# Altium PCB kunkun.PcbDoc (part 5 of 8)
Units mil, origin at the board's own origin, x right, y up, seen from the top; angles counter-clockwise.
Board outline 11417.32 x 6911.54 mil, 2 copper layers (Top Layer, Bottom Layer), stack 28 mil thick; 1172 components, 690 nets, 3402 pads, 1297 vias.
Unrouted connection lines stored in the file: 210.
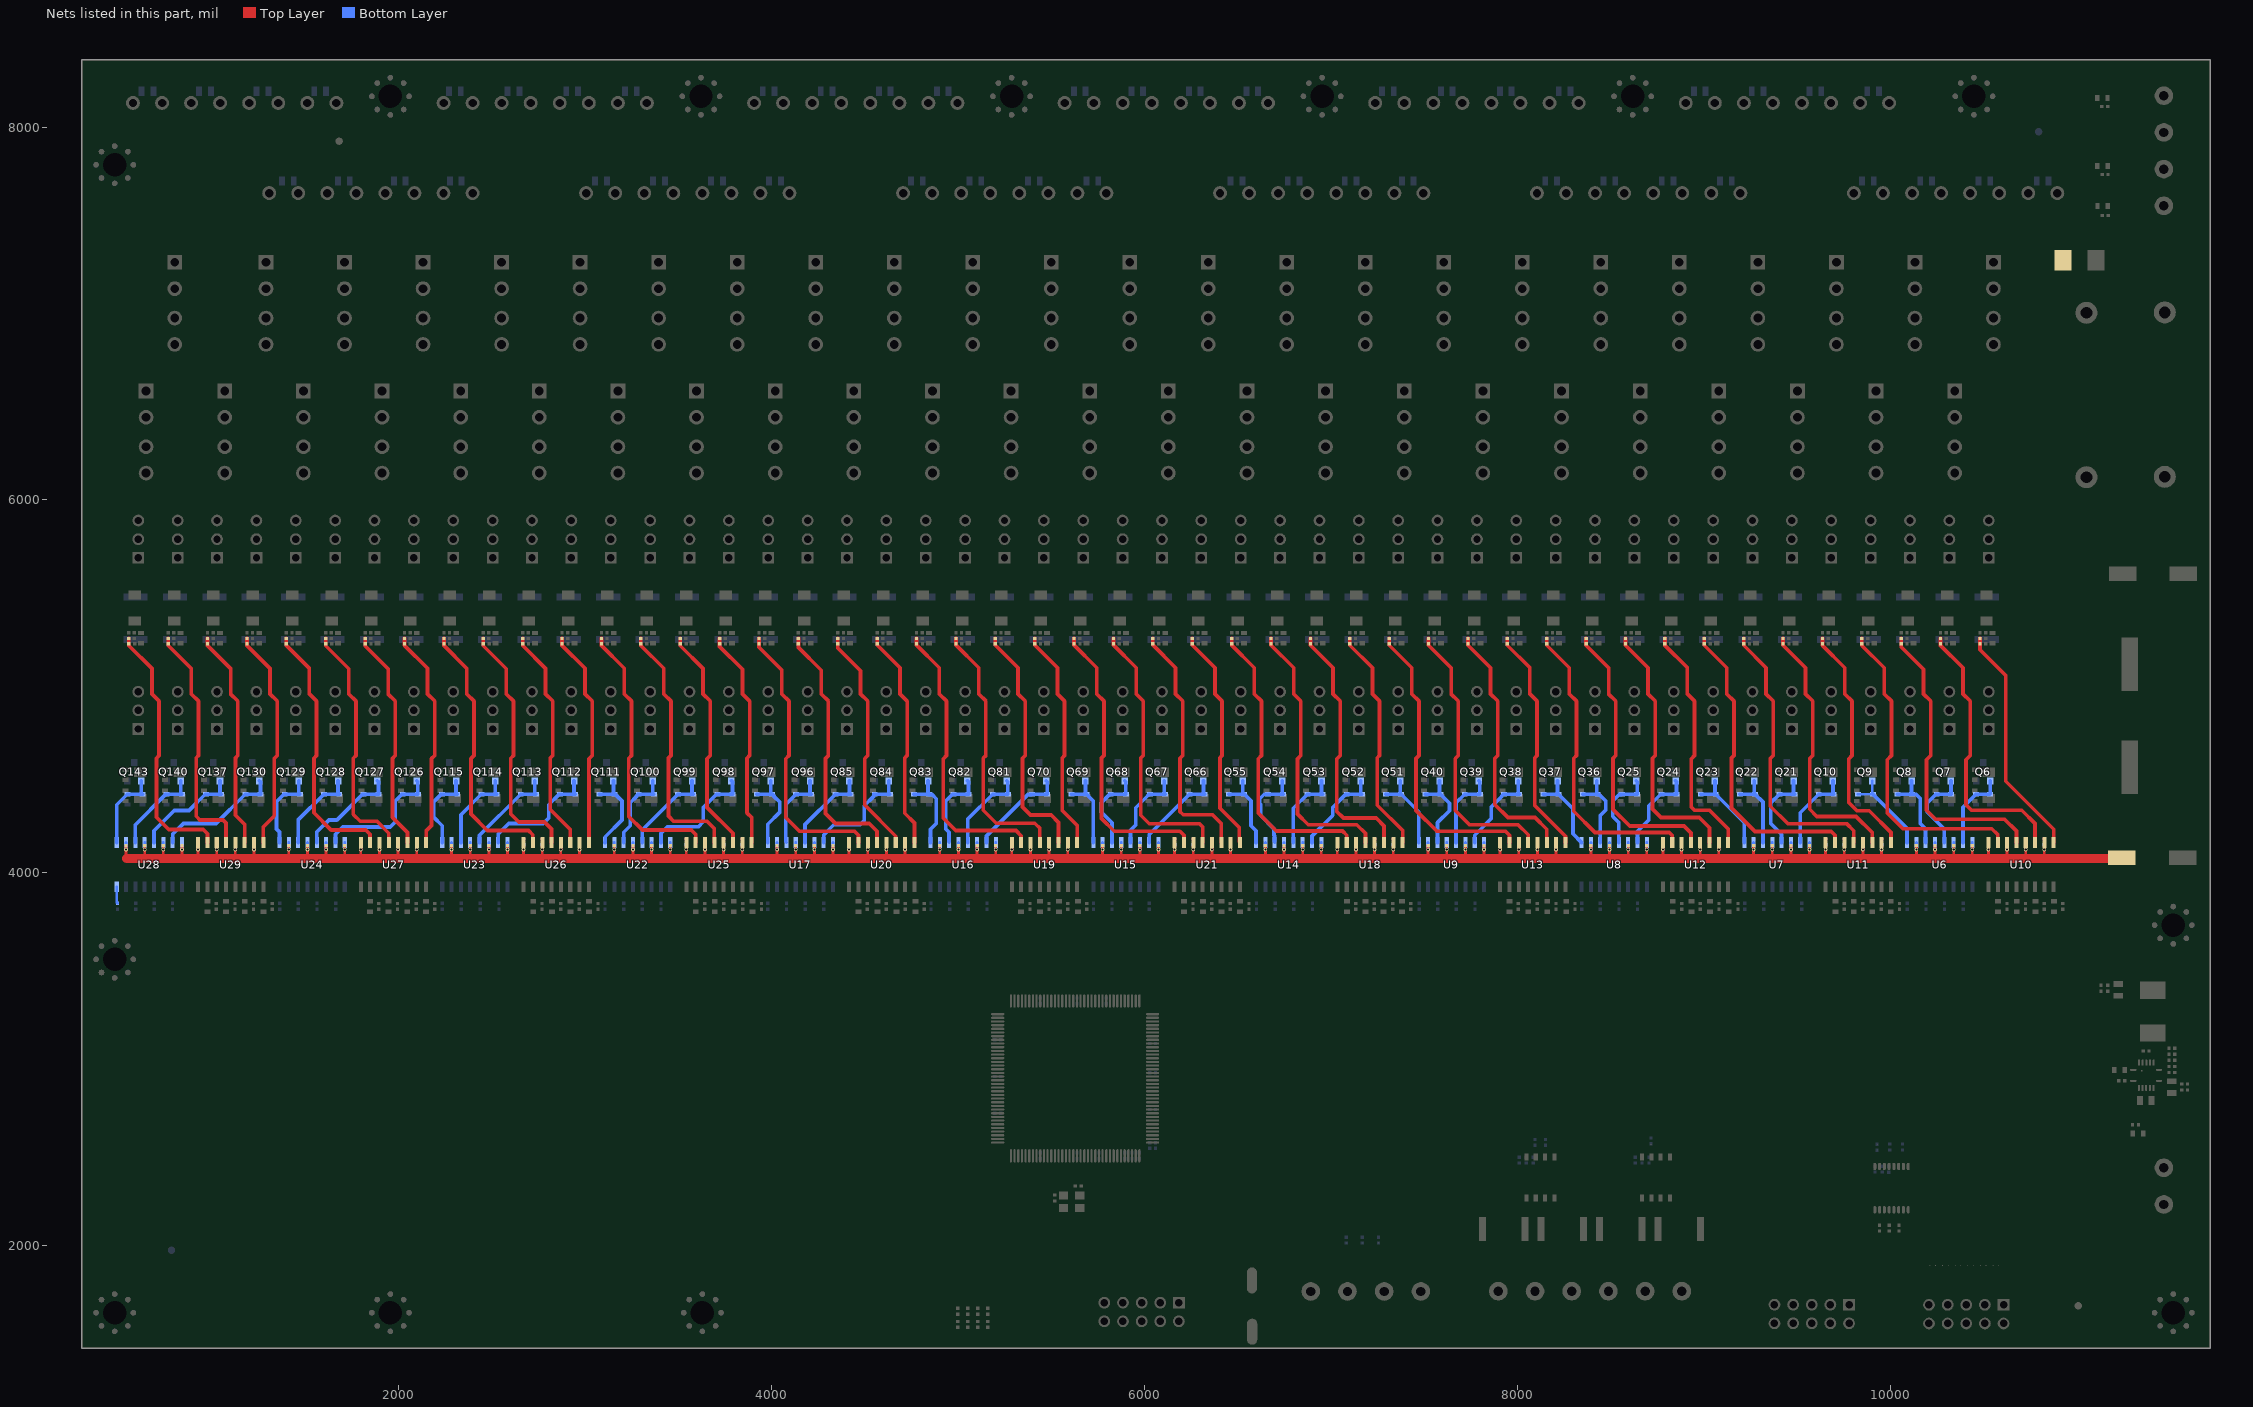
[diagram p5: the nets of this part, all layers, seen from the top]

## Via types
v1: diameter 19.68, hole 11.81, Top Layer to Bottom Layer, tented both sides, 1297 vias

## Nets (pads, with @x,y where several pads share a name; then routed paths per layer and width w, separated by ;. In a path a pad name is that pad's centre, name@x,y a point inside that pad or via, vN(x,y) a via of type N, cw(c..) or ccw(c..) an arc to the next point about the centre after c; other vN are vias at no path point) (continued)
NetR116_2: R116.2 U28.8 | length 89.6
  Bottom Layer w15: U28.8@488.14,3924.62 488.14,3841.15 R116.2@492.5,3836.79
P12: C32.2 C33.2 C34.2 C35.2 C36.2 C37.2 C38.2 C39.2 C40.2 C41.2 C42.2 C43.2 C44.2 C45.2 C46.2 C47.2 C48.2 C49.2 C50.2 C51.2 C52.2 C53.2 C54.2 C55.2 C56.2 C57.2 C58.2 C59.2 C60.2 C61.2 C62.2 C63.2 C64.2 C65.2 C66.2 C67.2 C68.2 C69.2 C70.2 C71.2 C72.2 C73.2 C74.2 C75.2 C76.2 C77.2 C78.2 C79.2 C80.2 C81.2 C82.2 C83.2 C84.2 C85.2 C86.2 C87.2 C88.2 C89.2 C90.2 C91.2 C92.2 C93.2 C94.2 C95.2 C96.2 C97.2 C98.2 C99.2 C100.2 C101.2 C102.2 C103.2 C104.2 C105.2 C106.2 C107.2 C108.2 C109.2 C110.2 C111.2 C112.2 C113.2 C114.2 C115.2 C116.2 C117.2 C118.2 C119.2 C120.2 C121.2 C122.2 C123.2 C124.2 C125.2 C126.2 C127.2 C128.1 D49.1 U6.10 U6.12 U6.14 U6.16 U7.10 U7.12 U7.14 U7.16 U8.10 U8.12 U8.14 U8.16 U9.10 U9.12 U9.14 U9.16 U10.10 U10.12 U10.14 U10.16 U11.10 U11.12 U11.14 U11.16 U12.10 U12.12 U12.14 U12.16 U13.10 U13.12 U13.14 U13.16 U14.10 U14.12 U14.14 U14.16 U15.10 U15.12 U15.14 U15.16 U16.10 U16.12 U16.14 U16.16 U17.10 U17.12 U17.14 U17.16 U18.10 U18.12 U18.14 U18.16 U19.10 U19.12 U19.14 U19.16 U20.10 U20.12 U20.14 U20.16 U21.10 U21.12 U21.14 U21.16 U22.10 U22.12 U22.14 U22.16 U23.10 U23.12 U23.14 U23.16 U24.10 U24.12 U24.14 U24.16 U25.10 U25.12 U25.14 U25.16 U26.10 U26.12 U26.14 U26.16 U27.10 U27.12 U27.14 U27.16 U28.10 U28.12 U28.14 U28.16 U29.10 U29.12 U29.14 U29.16 | length 21025.1
  Top Layer w15: 538.14,4080.48 v1(538.14,4124.84) C127.2@538.14,4147.06 ; 638.14,4078.29 v1(638.14,4124.84) C126.2@638.14,4147.06 ; 738.14,4079.17 v1(738.14,4124.84) C124.2@738.14,4147.06 ; 838.14,4078.06 v1(838.14,4124.84) C125.2@838.14,4147.06 ; 924.21,4079.54 v1(924.21,4124.95) 924.21,4162.39 U29.16@924.62,4162.81 ; 1024.21,4079.78 v1(1024.21,4124.95) 1024.21,4162.39 U29.14@1024.62,4162.81 ; 1124.21,4078.04 v1(1124.21,4124.95) 1124.21,4162.39 U29.12@1124.62,4162.81 ; 1224.01,4077.16 v1(1224.01,4124.75) 1224.01,4162.19 U29.10@1224.62,4162.81 ; 1411.11,4080.48 v1(1411.11,4124.84) C119.2@1411.11,4147.06 ; 1511.11,4078.29 v1(1511.11,4124.84) C118.2@1511.11,4147.06 ; 1611.11,4079.17 v1(1611.11,4124.84) C117.2@1611.11,4147.06 ; 1711.11,4078.06 v1(1711.11,4124.84) C116.2@1711.11,4147.06 ; 1797.17,4079.54 v1(1797.17,4124.95) ; v1@1797.79,4121.92 U27.16@1797.79,4159.36 ; 1897.17,4079.78 v1(1897.17,4124.95) ; v1@1897.79,4121.92 U27.14@1897.79,4159.36 ; 1997.17,4078.04 v1(1997.17,4124.95) ; v1@1997.79,4121.92 U27.12@1997.79,4159.36 ; 2096.97,4077.16 v1(2096.97,4124.75) ; v1@2097.59,4121.72 U27.10@2097.59,4159.16 ; 2284.07,4080.48 v1(2284.07,4124.84) C111.2@2284.07,4147.06 ; 2384.07,4078.29 v1(2384.07,4124.84) C110.2@2384.07,4147.06 ; 2484.07,4079.17 v1(2484.07,4124.84) C109.2@2484.07,4147.06 ; 2584.07,4078.06 v1(2584.07,4124.84) C108.2@2584.07,4147.06 ; 2670.14,4079.54 v1(2670.14,4124.95) ; v1@2670.75,4125.57 U26.16@2670.75,4163.01 ; 2770.14,4079.78 v1(2770.14,4124.95) ; v1@2770.75,4125.57 U26.14@2770.75,4163.01 ; 2870.14,4078.04 v1(2870.14,4124.95) ; v1@2870.75,4125.57 U26.12@2870.75,4163.01 ; 2969.94,4077.16 v1(2969.94,4124.75) ; v1@2970.55,4125.36 U26.10@2970.55,4162.81 ; 3157.03,4080.48 v1(3157.03,4124.84) C101.2@3157.03,4147.06 ; 3257.03,4078.29 v1(3257.03,4124.84) C100.2@3257.03,4147.06 ; 3357.03,4079.17 v1(3357.03,4124.84) C103.2@3357.03,4147.06 ; 3457.03,4078.06 v1(3457.03,4124.84) C102.2@3457.03,4147.06 ; 3543.1,4079.54 v1(3543.1,4124.95) ; v1@3543.72,4121.92 U25.16@3543.72,4159.36 ; 3643.1,4079.78 v1(3643.1,4124.95) ; v1@3643.72,4121.92 U25.14@3643.72,4159.36 ; 3743.1,4078.04 v1(3743.1,4124.95) ; v1@3743.72,4121.92 U25.12@3743.72,4159.36 ; 3842.9,4077.16 v1(3842.9,4124.75) ; v1@3843.51,4121.72 U25.10@3843.51,4159.16 ; 4030,4080.48 C93.2@4030,4143.82 ; 4130,4078.29 C92.2@4130,4143.82 ; 4230,4079.17 C95.2@4230,4143.82 ; 4330,4078.06 C94.2@4330,4143.82 ; 4416.06,4079.54 v1(4416.06,4124.95) ; v1@4416.68,4121.92 U20.16@4416.68,4159.36 ; 4516.06,4079.78 v1(4516.06,4124.95) ; v1@4516.68,4121.92 U20.14@4516.68,4159.36 ; 4616.06,4078.04 v1(4616.06,4124.95) ; v1@4616.68,4121.92 U20.12@4616.68,4159.36 ; 4715.86,4077.16 v1(4715.86,4124.75) ; v1@4716.48,4121.72 U20.10@4716.48,4159.16 ; 4902.96,4080.48 v1(4902.96,4124.84) C85.2@4902.96,4147.06 ; 5002.96,4078.29 v1(5002.96,4124.84) C84.2@5002.96,4147.06 ; 5102.96,4079.17 v1(5102.96,4124.84) C87.2@5102.96,4147.06 ; 5202.96,4078.06 v1(5202.96,4124.84) C86.2@5202.96,4147.06 ; 5289.03,4079.54 v1(5289.03,4124.95) ; v1@5289.64,4121.92 U19.16@5289.64,4159.36 ; 5389.03,4079.78 v1(5389.03,4124.95) ; v1@5389.64,4121.92 U19.14@5389.64,4159.36 ; 5489.03,4078.04 v1(5489.03,4124.95) ; v1@5489.64,4121.92 U19.12@5489.64,4159.36 ; 5588.83,4077.16 v1(5588.83,4124.75) ; v1@5589.44,4121.72 U19.10@5589.44,4159.16 ; 5775.92,4080.48 C77.2@5775.92,4143.82 ; 5875.92,4078.29 C76.2@5875.92,4143.82 ; 5975.92,4079.17 C79.2@5975.92,4143.82 ; 6075.92,4078.06 C78.2@6075.92,4143.82 ; 6161.99,4079.54 v1(6161.99,4124.95) ; v1@6162.61,4121.92 U21.16@6162.61,4159.36 ; 6261.99,4079.78 v1(6261.99,4124.95) ; v1@6262.61,4121.92 U21.14@6262.61,4159.36 ; 6361.99,4078.04 v1(6361.99,4124.95) ; v1@6362.61,4121.92 U21.12@6362.61,4159.36 ; 6461.79,4077.16 v1(6461.79,4124.75) ; v1@6462.4,4121.72 U21.10@6462.4,4159.16 ; 6648.89,4080.48 C69.2@6648.89,4143.82 ; 6748.89,4078.29 C68.2@6748.89,4143.82 ; 6848.89,4079.17 C71.2@6848.89,4143.82 ; 6948.89,4078.06 C70.2@6948.89,4143.82 ; 7034.95,4079.54 v1(7034.95,4124.95) ; v1@7035.57,4121.92 U18.16@7035.57,4159.36 ; 7134.95,4079.78 v1(7134.95,4124.95) ; v1@7135.57,4121.92 U18.14@7135.57,4159.36 ; 7234.95,4078.04 v1(7234.95,4124.95) ; v1@7235.57,4121.92 U18.12@7235.57,4159.36 ; 7334.75,4077.16 v1(7334.75,4124.75) ; v1@7335.37,4121.72 U18.10@7335.37,4159.16 ; 7521.85,4080.48 v1(7521.85,4124.84) C61.2@7521.85,4147.06 ; 7621.85,4078.29 v1(7621.85,4124.84) C60.2@7621.85,4147.06 ; 7721.85,4079.17 v1(7721.85,4124.84) C63.2@7721.85,4147.06 ; 7821.85,4078.06 v1(7821.85,4124.84) C62.2@7821.85,4147.06 ; 7907.92,4079.54 v1(7907.92,4124.95) ; v1@7908.53,4121.92 U13.16@7908.53,4159.36 ; 8007.92,4079.78 v1(8007.92,4124.95) ; v1@8008.53,4121.92 U13.14@8008.53,4159.36 ; 8107.92,4078.04 v1(8107.92,4124.95) ; v1@8108.53,4121.92 U13.12@8108.53,4159.36 ; 8207.72,4077.16 v1(8207.72,4124.75) ; v1@8208.33,4121.72 U13.10@8208.33,4159.16 ; 8394.81,4080.48 v1(8394.81,4124.84) C53.2@8394.81,4147.06 ; 8494.81,4078.29 v1(8494.81,4124.84) C52.2@8494.81,4147.06 ; 8594.81,4079.17 v1(8594.81,4124.84) C55.2@8594.81,4147.06 ; 8694.81,4078.06 v1(8694.81,4124.84) C54.2@8694.81,4147.06 ; 8780.88,4079.54 v1(8780.88,4124.95) ; v1@8781.5,4121.92 U12.16@8781.5,4159.36 ; 8880.88,4079.78 v1(8880.88,4124.95) ; v1@8881.5,4121.92 U12.14@8881.5,4159.36 ; 8980.88,4078.04 v1(8980.88,4124.95) ; v1@8981.5,4121.92 U12.12@8981.5,4159.36 ; 9080.68,4077.16 v1(9080.68,4124.75) ; v1@9081.29,4121.72 U12.10@9081.29,4159.16 ; 9267.78,4080.48 v1(9267.78,4124.84) C45.2@9267.78,4147.06 ; 9367.78,4078.29 v1(9367.78,4124.84) C44.2@9367.78,4147.06 ; 9467.78,4079.17 v1(9467.78,4124.84) C47.2@9467.78,4147.06 ; 9567.78,4078.06 v1(9567.78,4124.84) C46.2@9567.78,4147.06 ; 9653.84,4079.54 v1(9653.84,4124.95) ; v1@9654.46,4121.92 U11.16@9654.46,4159.36 ; 9753.84,4079.78 v1(9753.84,4124.95) ; v1@9754.46,4121.92 U11.14@9754.46,4159.36 ; 9853.84,4078.04 v1(9853.84,4124.95) ; v1@9854.46,4121.92 U11.12@9854.46,4159.36 ; 9953.64,4077.16 v1(9953.64,4124.75) ; v1@9954.26,4121.72 U11.10@9954.26,4159.16 ; 10137.27,4077.01 10140.74,4080.48 v1(10140.74,4124.84) C36.2@10140.74,4147.06 ; 10239.46,4077.01 10240.74,4078.29 v1(10240.74,4124.84) C37.2@10240.74,4147.06 ; 10338.58,4077.01 10340.74,4079.17 v1(10340.74,4124.84) C39.2@10340.74,4147.06 ; 10439.69,4077.01 10440.74,4078.06 v1(10440.74,4124.84) C38.2@10440.74,4147.06 ; 10524.28,4077.01 10526.81,4079.54 v1(10526.81,4124.95) ; v1@10527.42,4121.92 U10.16@10527.42,4159.36 ; 10624.03,4077.01 10626.81,4079.78 v1(10626.81,4124.95) ; v1@10627.42,4121.92 U10.14@10627.42,4159.36 ; 10725.77,4077.01 10726.81,4078.04 v1(10726.81,4124.95) ; v1@10727.42,4121.92 U10.12@10727.42,4159.36 ; 10826.45,4077.01 10826.61,4077.16 v1(10826.61,4124.75) ; v1@10827.22,4121.72 U10.10@10827.22,4159.16
  Top Layer w50: 541.62,4077.01 10137.27,4077.01 10239.46,4077.01 10338.58,4077.01 10439.69,4077.01 10524.28,4077.01 10624.03,4077.01 10725.77,4077.01 10826.45,4077.01 11256.87,4077.01 C128.1@11261.45,4081.59
  Bottom Layer w15: v1(538.14,4124.84) U28.10@538.14,4162.81 ; v1(638.14,4124.84) U28.12@638.14,4162.81 ; v1(738.14,4124.84) U28.14@738.14,4162.81 ; v1(924.21,4124.95) 924.62,4125.36 C123.2@924.62,4150.3 C123.2@925.04,4150.72 ; v1(1024.21,4124.95) 1024.62,4125.36 C122.2@1024.62,4150.3 C122.2@1025.04,4150.72 ; v1(1124.21,4124.95) 1124.62,4125.36 C121.2@1124.62,4150.3 C121.2@1125.04,4150.72 ; v1(1224.01,4124.75) 1224.32,4125.06 1224.32,4149.99 C120.2@1224.62,4150.3 ; v1(1411.11,4124.84) U24.10@1411.11,4162.81 ; v1(1511.11,4124.84) U24.12@1511.11,4162.81 ; v1(1611.11,4124.84) U24.14@1611.11,4162.81 ; v1(1711.11,4124.84) U24.16@1711.11,4162.81 ; v1(1797.17,4124.95) 1797.59,4125.36 C115.2@1797.59,4150.3 C115.2@1798,4150.72 ; v1(1897.17,4124.95) 1897.59,4125.36 C114.2@1897.59,4150.3 C114.2@1898,4150.72 ; v1(1997.17,4124.95) 1997.59,4125.36 C113.2@1997.59,4150.3 C113.2@1998,4150.72 ; v1(2096.97,4124.75) 2097.28,4125.06 2097.28,4149.99 C112.2@2097.59,4150.3 ; v1(2284.07,4124.84) U23.10@2284.07,4162.81 ; v1(2384.07,4124.84) U23.12@2384.07,4162.81 ; v1(2484.07,4124.84) U23.14@2484.07,4162.81 ; v1(2584.07,4124.84) U23.16@2584.07,4162.81 ; v1(2670.14,4124.95) 2670.55,4125.36 C107.2@2670.55,4150.3 C107.2@2670.96,4150.72 ; v1(2770.14,4124.95) 2770.55,4125.36 C106.2@2770.55,4150.3 C106.2@2770.96,4150.72 ; v1(2870.14,4124.95) 2870.55,4125.36 C105.2@2870.55,4150.3 C105.2@2870.96,4150.72 ; v1(2969.94,4124.75) 2970.24,4125.06 2970.24,4149.99 C104.2@2970.55,4150.3 ; v1(3157.03,4124.84) U22.10@3157.03,4162.81 ; v1(3257.03,4124.84) U22.12@3257.03,4162.81 ; v1(3357.03,4124.84) U22.14@3357.03,4162.81 ; v1(3457.03,4124.84) U22.16@3457.03,4162.81 ; v1(3543.1,4124.95) 3543.51,4125.36 C99.2@3543.51,4150.3 C99.2@3543.93,4150.72 ; v1(3643.1,4124.95) 3643.51,4125.36 C98.2@3643.51,4150.3 C98.2@3643.93,4150.72 ; v1(3743.1,4124.95) 3743.51,4125.36 C97.2@3743.51,4150.3 C97.2@3743.93,4150.72 ; v1(3842.9,4124.75) 3843.21,4125.06 3843.21,4149.99 C96.2@3843.51,4150.3 ; v1(4030,4124.84) U17.10@4030,4162.81 ; v1(4130,4124.84) U17.12@4130,4162.81 ; v1(4230,4124.84) U17.14@4230,4162.81 ; v1(4330,4124.84) U17.16@4330,4162.81 ; v1(4416.06,4124.95) 4416.48,4125.36 C91.2@4416.48,4150.3 C91.2@4416.89,4150.72 ; v1(4516.06,4124.95) 4516.48,4125.36 C90.2@4516.48,4150.3 C90.2@4516.89,4150.72 ; v1(4616.06,4124.95) 4616.48,4125.36 C89.2@4616.48,4150.3 C89.2@4616.89,4150.72 ; v1(4715.86,4124.75) 4716.17,4125.06 4716.17,4149.99 C88.2@4716.48,4150.3 ; v1(4902.96,4124.84) U16.10@4902.96,4162.81 ; v1(5002.96,4124.84) U16.12@5002.96,4162.81 ; v1(5102.96,4124.84) U16.14@5102.96,4162.81 ; v1(5202.96,4124.84) U16.16@5202.96,4162.81 ; v1(5289.03,4124.95) 5289.44,4125.36 C83.2@5289.44,4150.3 C83.2@5289.86,4150.72 ; v1(5389.03,4124.95) 5389.44,4125.36 C82.2@5389.44,4150.3 C82.2@5389.86,4150.72 ; v1(5489.03,4124.95) 5489.44,4125.36 C81.2@5489.44,4150.3 C81.2@5489.86,4150.72 ; v1(5588.83,4124.75) 5589.13,4125.06 5589.13,4149.99 C80.2@5589.44,4150.3 ; v1(5775.92,4124.84) U15.10@5775.92,4162.81 ; v1(5875.92,4124.84) U15.12@5875.92,4162.81 ; v1(5975.92,4124.84) U15.14@5975.92,4162.81 ; v1(6075.92,4124.84) U15.16@6075.92,4162.81 ; v1(6161.99,4124.95) 6162.4,4125.36 C75.2@6162.4,4150.3 C75.2@6162.82,4150.72 ; v1(6261.99,4124.95) 6262.4,4125.36 C74.2@6262.4,4150.3 C74.2@6262.82,4150.72 ; v1(6361.99,4124.95) 6362.4,4125.36 C73.2@6362.4,4150.3 C73.2@6362.82,4150.72 ; v1(6461.79,4124.75) 6462.1,4125.06 6462.1,4149.99 C72.2@6462.4,4150.3 ; v1(6648.89,4124.84) U14.10@6648.89,4162.81 ; v1(6748.89,4124.84) U14.12@6748.89,4162.81 ; v1(6848.89,4124.84) U14.14@6848.89,4162.81 ; v1(6948.89,4124.84) U14.16@6948.89,4162.81 ; v1(7034.95,4124.95) 7035.37,4125.36 C67.2@7035.37,4150.3 C67.2@7035.78,4150.72 ; v1(7134.95,4124.95) 7135.37,4125.36 C66.2@7135.37,4150.3 C66.2@7135.78,4150.72 ; v1(7234.95,4124.95) 7235.37,4125.36 C65.2@7235.37,4150.3 C65.2@7235.78,4150.72 ; v1(7334.75,4124.75) 7335.06,4125.06 7335.06,4149.99 C64.2@7335.37,4150.3 ; v1(7521.85,4124.84) U9.10@7521.85,4162.81 ; v1(7621.85,4124.84) U9.12@7621.85,4162.81 ; v1(7721.85,4124.84) U9.14@7721.85,4162.81 ; v1(7821.85,4124.84) U9.16@7821.85,4162.81 ; v1(7907.92,4124.95) 7908.33,4125.36 C59.2@7908.33,4150.3 C59.2@7908.75,4150.72 ; v1(8007.92,4124.95) 8008.33,4125.36 C58.2@8008.33,4150.3 C58.2@8008.75,4150.72 ; v1(8107.92,4124.95) 8108.33,4125.36 C57.2@8108.33,4150.3 C57.2@8108.75,4150.72 ; v1(8207.72,4124.75) 8208.02,4125.06 8208.02,4149.99 C56.2@8208.33,4150.3 ; v1(8394.81,4124.84) U8.10@8394.81,4162.81 ; v1(8494.81,4124.84) U8.12@8494.81,4162.81 ; v1(8594.81,4124.84) U8.14@8594.81,4162.81 ; v1(8694.81,4124.84) U8.16@8694.81,4162.81 ; v1(8780.88,4124.95) 8781.29,4125.36 C51.2@8781.29,4150.3 C51.2@8781.71,4150.72 ; v1(8880.88,4124.95) 8881.29,4125.36 C50.2@8881.29,4150.3 C50.2@8881.71,4150.72 ; v1(8980.88,4124.95) 8981.29,4125.36 C49.2@8981.29,4150.3 C49.2@8981.71,4150.72 ; v1(9080.68,4124.75) 9080.99,4125.06 9080.99,4149.99 C48.2@9081.29,4150.3 ; v1(9267.78,4124.84) U7.10@9267.78,4162.81 ; v1(9367.78,4124.84) U7.12@9367.78,4162.81 ; v1(9467.78,4124.84) U7.14@9467.78,4162.81 ; v1(9567.78,4124.84) U7.16@9567.78,4162.81 ; v1(9653.84,4124.95) 9654.26,4125.36 C43.2@9654.26,4150.3 C43.2@9654.67,4150.72 ; v1(9753.84,4124.95) 9754.26,4125.36 C42.2@9754.26,4150.3 C42.2@9754.67,4150.72 ; v1(9853.84,4124.95) 9854.26,4125.36 C41.2@9854.26,4150.3 C41.2@9854.67,4150.72 ; v1(9953.64,4124.75) 9953.95,4125.06 9953.95,4149.99 C40.2@9954.26,4150.3 ; v1(10140.74,4124.84) U6.10@10140.74,4162.81 ; v1(10240.74,4124.84) U6.12@10240.74,4162.81 ; v1(10340.74,4124.84) U6.14@10340.74,4162.81 ; v1(10440.74,4124.84) U6.16@10440.74,4162.81 ; v1(10526.81,4124.95) 10527.22,4125.36 C35.2@10527.22,4150.3 C35.2@10527.64,4150.72 ; v1(10626.81,4124.95) 10627.22,4125.36 C34.2@10627.22,4150.3 C34.2@10627.64,4150.72 ; v1(10726.81,4124.95) 10727.22,4125.36 C33.2@10727.22,4150.3 C33.2@10727.64,4150.72 ; v1(10826.61,4124.75) 10826.91,4125.06 10826.91,4149.99 C32.2@10827.22,4150.3
PF1+: C179.2 Q6.2 R151.2 U6.15 | length 434.8
  Bottom Layer w10: R151.2@10534.86,4421.74 R151.2@10537,4423.87
  Bottom Layer w20: U6.15@10390.74,4162.81 10390.74,4351.78 C179.2@10460.7,4421.74 R151.2@10534.86,4421.74 ; R151.2@10537,4423.87 Q6.2@10537,4493.59
PF1-: R156.1 R166.1 U10.9 | length 1257.9
  Top Layer w20: R156.1@10481.76,5256.92 R166.1@10481.76,5229.47 10481.76,5196 10619.44,5058.31 10619.44,4491.45 10877.22,4233.67 U10.9@10877.22,4162.81
PF2+: C180.2 Q7.2 R152.2 U6.13 | length 468.7
  Bottom Layer w10: C180.2@10326,4422 C180.2@10326.26,4421.74
  Bottom Layer w15: C180.2@10325.73,4421.74 C180.2@10326,4422
  Bottom Layer w20: U6.13@10290.74,4162.81 10290.74,4233.77 10198.9,4325.6 10198.9,4374.85 10237.79,4413.74 10245.79,4421.74 C180.2@10325.73,4421.74 ; C180.2@10326,4422 Q7.2@10326,4493.59
PF2-: R157.1 R167.1 U10.11 | length 1480.6
  Top Layer w20: R157.1@10270.51,5256.92 R167.1@10270.51,5229.47 10270.51,5219.82 10390.51,5099.82 10390.51,4959.44 10429.03,4920.91 10429.03,4629.12 10406.64,4606.72 10406.64,4365.08 10436.26,4335.45 10706.09,4335.45 10777.22,4264.32 U10.11@10777.22,4162.81
PF3+: C181.2 Q8.2 R153.2 U6.11 | length 453.1
  Bottom Layer w20: R153.2@10038.76,4421.74 C181.2@10117.7,4421.74 ; Q8.2@10115,4493.59 10115,4424.44 C181.2@10117.7,4421.74 ; U6.11@10190.74,4162.81 10189.91,4163.63 10189.91,4235.26 10162.03,4263.14 10162.03,4397.86 10138.15,4421.74 C181.2@10117.7,4421.74
PF3-: R158.1 R168.1 U10.13 | length 1585.5
  Top Layer w20: R158.1@10059.26,5256.92 R168.1@10059.26,5229.47 10059.26,5211.6 10179.34,5091.52 10179.34,4959.44 10217.86,4920.91 10217.86,4629.12 10195.47,4606.72 10195.47,4335.61 10243.69,4287.38 10613.85,4287.38 10677.22,4224.01 U10.13@10677.22,4162.81
PF4+: C182.2 Q9.2 R154.2 U6.9 | length 488.4
  Bottom Layer w15: R154.2@9827.79,4421.74 C182.2@9900.86,4421.74 ; Q9.2@9904,4493.59 9904,4424.87 C182.2@9900.86,4421.74 ; C182.2@9908.69,4421.74 C182.2@9900.86,4421.74
  Bottom Layer w20: C182.2@9908.69,4421.74 10090.74,4239.69 U6.9@10090.74,4162.81
PF4-: R159.1 R169.1 U10.15 | length 1694.2
  Top Layer w20: R159.1@9848,5256.92 9848,5219.99 9968.17,5099.82 9968.17,4959.44 10006.69,4920.91 10006.69,4629.12 9984.29,4606.72 9984.29,4321.05 10068.37,4236.97 10545.47,4236.97 10577.22,4205.21 U10.15@10577.22,4162.81
PF5+: C183.2 Q10.2 R155.2 U7.15 | length 454.7
  Bottom Layer w20: U7.15@9517.78,4162.81 9517.78,4322.7 R155.2@9616.81,4421.74 C183.2@9697.73,4421.74 9693,4426.48 Q10.2@9693,4493.59
PF5-: R160.1 R170.1 U11.9 | length 1299.1
  Top Layer w20: R160.1@9636.75,5256.92 R170.1@9636.75,5229.47 9636.75,5220.07 9757,5099.82 9757,4959.44 9795.52,4920.91 9795.52,4629.12 9778.54,4612.14 9778.54,4376.31 9822.15,4332.7 9888.16,4332.7 10004.26,4216.6 U11.9@10004.26,4162.81
PF6+: C189.2 Q21.2 R186.2 U7.13 | length 457.5
  Bottom Layer w20: U7.13@9417.78,4162.81 9417.78,4206.81 9358.95,4265.63 9358.95,4374.85 R186.2@9405.84,4421.74 C189.2@9486.78,4421.74 9482,4426.52 Q21.2@9482,4493.59
PF6-: R191.1 R201.1 U11.11 | length 1428.8
  Top Layer w20: R191.1@9425.5,5256.92 R201.1@9425.5,5229.47 9425.5,5220.15 9545.83,5099.82 9545.83,4959.44 9584.35,4920.91 9584.35,4629.12 9568.79,4613.56 9568.79,4340.52 9606.69,4302.62 9817.48,4302.62 9904.26,4215.85 U11.11@9904.26,4162.81
PF7+: C190.2 Q22.2 R187.2 U7.11 | length 433
  Bottom Layer w15: U7.11@9314.45,4166.13 U7.11@9317.78,4162.81
  Bottom Layer w20: R187.2@9194.87,4421.74 9266.17,4421.74 C190.2@9271,4426.56 ; Q22.2@9271,4493.59 C190.2@9271,4426.56 ; U7.11@9317.78,4162.81 9317.78,4379.78 C190.2@9275.82,4421.74 C190.2@9271,4426.56
PF7-: R192.1 R202.1 U11.13 | length 1536
  Top Layer w20: R192.1@9214.25,5256.92 R202.1@9214.25,5229.47 9214.25,5220.23 9334.66,5099.82 9334.66,4959.44 9373.18,4920.91 9373.18,4629.12 9357.44,4613.38 9357.44,4357.46 9450.97,4263.93 9765.86,4263.93 9804.26,4225.53 U11.13@9804.26,4162.81
PF8+: C191.2 Q23.2 R188.2 U7.9 | length 477.1
  Bottom Layer w20: R188.2@8983.9,4421.74 C191.2@9064.86,4421.74 ; Q23.2@9060,4493.59 9060,4426.6 C191.2@9064.86,4421.74 ; U7.9@9217.78,4162.81 9217.78,4268.82 C191.2@9064.86,4421.74
PF8-: R193.1 R203.1 U11.15 | length 1634.9
  Top Layer w20: R193.1@9003,5256.92 R203.1@9003,5229.47 9003,5220.31 9123.48,5099.82 9123.48,4959.44 9162.01,4920.91 9162.01,4629.12 9148.75,4615.86 9148.75,4348.23 9275.26,4221.73 9683.88,4221.73 9704.26,4201.35 U11.15@9704.26,4162.81
PF9+: C192.2 Q24.2 R189.2 U8.15 | length 469.2
  Bottom Layer w20: U8.15@8644.81,4162.81 8644.81,4222.62 8704.6,4282.41 8704.6,4357.34 8768.99,4421.74 C192.2@8853.91,4421.74 8853.91,4488.68 Q24.2@8849,4493.59
PF9-: R194.1 R204.1 U12.9 | length 1286.3
  Top Layer w20: R204.1@8791.75,5229.47 R194.1@8791.75,5256.92 ; 8792.32,5219.82 8912.31,5099.82 8912.31,4959.44 8950.84,4920.91 8950.84,4629.12 8933.82,4612.1 8933.82,4351.78 8950.22,4335.38 9030.96,4335.38 9131.29,4235.04 U12.9@9131.29,4162.81
PF10+: C193.2 Q25.2 R190.2 U8.13 | length 456.1
  Bottom Layer w20: U8.13@8544.81,4162.81 8544.81,4269.93 8511.95,4302.8 8511.95,4339.49 8511.99,4339.53 8511.99,4385.32 8546.59,4419.93 8560.15,4419.93 R190.2@8561.96,4421.74 C193.2@8642.95,4421.74 8642.95,4488.64 Q25.2@8638,4493.59
PF10-: R195.1 R205.1 U12.11 | length 1413.2
  Top Layer w20: R195.1@8580.5,5256.92 R205.1@8580.49,5229.47 8580.5,5220.47 8701.14,5099.82 8701.14,4959.44 8739.67,4920.91 8739.67,4629.12 8725,4614.45 8725,4342.64 8771.42,4296.22 8976.59,4296.22 9031.29,4241.52 U12.11@9031.29,4162.81
PF11+: C199.2 Q36.2 R221.2 U8.11 | length 447.4
  Bottom Layer w20: R221.2@8350.99,4421.74 C199.2@8431.99,4421.74 ; Q36.2@8427,4493.59 8427,4426.73 C199.2@8431.99,4421.74 ; U8.11@8444.81,4162.81 8444.81,4307.71 8474.39,4337.29 8474.39,4385.68 8446.34,4413.74 8443.93,4413.74 8437.74,4419.93 8433.8,4419.93 C199.2@8431.99,4421.74
PF11-: R226.1 R236.1 U12.13 | length 1510.6
  Top Layer w20: R226.1@8369.24,5256.92 R236.1@8369.24,5229.47 8369.24,5220.55 8489.97,5099.82 8489.97,4959.44 8528.5,4920.91 8528.5,4629.12 8513.13,4613.75 8513.13,4340.46 8602.77,4250.82 8894.61,4250.82 8931.29,4214.13 U12.13@8931.29,4162.81
PF12+: C200.2 Q37.2 R222.2 U8.9 | length 462.2
  Bottom Layer w20: R222.2@8140.02,4421.74 8210.96,4421.74 C200.2@8216,4426.77 ; Q37.2@8216,4493.59 C200.2@8216,4426.77 ; U8.9@8344.81,4162.81 8298.54,4209.08 8298.54,4344.23 C200.2@8221.03,4421.74 C200.2@8216,4426.77
PF12-: R227.1 R237.1 U12.15 | length 1618.6
  Top Layer w20: R227.1@8157.99,5256.92 R237.1@8157.99,5229.47 8157.99,5220.64 8278.8,5099.82 8278.8,4959.44 8317.33,4920.91 8317.33,4629.12 8302.63,4614.43 8302.63,4330.66 8416.4,4216.89 8814.85,4216.89 8831.29,4200.45 U12.15@8831.29,4162.81
PF13+: C201.2 Q38.2 R223.2 U9.15 | length 481.3
  Bottom Layer w20: U9.15@7771.85,4162.81 7771.85,4201.73 7860.89,4290.77 7860.89,4353.58 7917.11,4409.8 7917.11,4413.74 7925.11,4421.74 R223.2@7929.05,4421.74 C201.2@8010.08,4421.74 8005,4426.82 Q38.2@8005,4493.59
PF13-: R228.1 R238.1 U13.9 | length 1233.9
  Top Layer w20: R228.1@7946.74,5256.92 R238.1@7946.74,5229.47 7946.74,5220.72 8067.63,5099.82 8067.63,4959.44 8106.16,4920.91 8106.16,4629.12 8093.24,4616.2 8093.24,4361.37 8258.33,4196.28 U13.9@8258.33,4162.81
PF14+: C202.2 Q39.2 R224.2 U9.13 | length 433.1
  Bottom Layer w20: U9.13@7671.85,4162.81 7671.85,4375.51 R224.2@7718.08,4421.74 C202.2@7799.12,4421.74 7799.12,4488.47 Q39.2@7794,4493.59
PF14-: R229.1 R239.1 U13.11 | length 1367.9
  Top Layer w20: R229.1@7735.49,5256.92 R239.1@7735.49,5229.47 7735.49,5220.8 7856.46,5099.82 7856.46,4959.44 7894.99,4920.91 7894.99,4629.12 7879.09,4613.23 7879.09,4367.28 7949.74,4296.63 8095.68,4296.63 8158.33,4233.98 U13.11@8158.33,4162.81
PF15+: C203.2 Q40.2 R225.2 U9.11 | length 465.1
  Bottom Layer w15: U9.11@7568.52,4166.13 U9.11@7571.85,4162.81
  Bottom Layer w20: R225.2@7507.11,4421.74 C203.2@7588.16,4421.74 ; U9.11@7571.85,4162.81 7571.85,4269.35 7636.08,4333.58 7636.08,4373.82 C203.2@7588.16,4421.74 ; Q40.2@7583,4493.59 7583,4426.9 C203.2@7588.16,4421.74
PF15-: R230.1 R240.1 U13.13 | length 1481.7
  Top Layer w20: R230.1@7524.24,5256.92 R240.1@7524.24,5229.47 7524.24,5220.88 7645.29,5099.82 7645.29,4959.44 7683.82,4920.91 7683.82,4629.12 7667.22,4612.52 7667.22,4334.94 7743.72,4258.44 8004.32,4258.44 8058.33,4204.43 U13.13@8058.33,4162.81
PF16+: C209.2 Q51.2 R256.2 U9.9 | length 453.2
  Bottom Layer w20: R256.2@7296.13,4421.74 C209.2@7377.2,4421.74 ; Q51.2@7372,4493.59 7372,4426.94 C209.2@7377.2,4421.74 ; U9.9@7471.85,4162.81 7471.85,4327.09 C209.2@7377.2,4421.74
PF16-: R261.1 R271.1 U13.15 | length 1590.5
  Top Layer w20: R261.1@7312.99,5256.92 R271.1@7312.99,5229.47 7312.99,5220.96 7434.12,5099.82 7434.12,4959.44 7472.65,4920.91 7472.65,4629.12 7456.56,4613.03 7456.56,4334.83 7568.9,4222.49 7937.19,4222.49 7958.33,4201.35 U13.15@7958.33,4162.81
PF17+: C210.2 Q52.2 R257.2 U14.15 | length 493.5
  Bottom Layer w20: U14.15@6898.89,4162.81 6898.89,4197.22 7009.96,4308.3 7009.96,4350.47 7079.42,4419.93 7083.35,4419.93 R257.2@7085.16,4421.74 C210.2@7166.25,4421.74 7161,4426.99 Q52.2@7161,4493.59
PF17-: R262.1 R272.1 U18.9 | length 1221.6
  Top Layer w20: R262.1@7101.73,5256.92 R272.1@7101.73,5229.47 7101.73,5221.04 7222.95,5099.82 7222.95,4959.44 7261.48,4920.91 7261.48,4629.12 7249.46,4617.1 7249.46,4362.47 7385.37,4226.56 U18.9@7385.37,4162.81
PF18+: C211.2 Q53.2 R258.2 U14.13 | length 445.3
  Bottom Layer w20: U14.13@6798.89,4162.81 6798.89,4346.43 R258.2@6874.19,4421.74 C211.2@6955.29,4421.74 6950,4427.03 Q53.2@6950,4493.59
PF18-: R263.1 R273.1 U18.11 | length 1375.6
  Top Layer w20: R263.1@6890.48,5256.92 R273.1@6890.48,5229.47 6890.48,5221.12 7011.78,5099.82 7011.78,4959.44 7050.31,4920.91 7050.31,4629.12 7032.12,4610.93 7032.12,4329.47 7067.84,4293.75 7243.51,4293.75 7285.37,4251.89 U18.11@7285.37,4162.81
PF19+: C212.2 Q54.2 R259.2 U14.11 | length 479.1
  Bottom Layer w15: U14.11@6695.56,4166.13 U14.11@6698.89,4162.81
  Bottom Layer w20: U14.11@6698.06,4166.13 6698.06,4199 6695.56,4201.5 6695.56,4235.18 6623.89,4306.85 6623.89,4366.58 6618.51,4371.96 6618.51,4397.77 6642.47,4421.74 C212.2@6744.33,4421.74 6739,4427.07 Q54.2@6739,4493.59
PF19-: R264.1 R274.1 U18.13 | length 1470.8
  Top Layer w20: R264.1@6679.23,5256.92 R274.1@6679.23,5229.47 6679.23,5221.21 6800.61,5099.82 6800.61,4959.44 6839.14,4920.91 6839.14,4629.12 6821.31,4611.29 6821.31,4316.16 6879.27,4258.2 7139.15,4258.2 7185.37,4211.98 U18.13@7185.37,4162.81
PF20+: C213.2 Q55.2 R260.2 U14.9 | length 443.6
  Bottom Layer w20: R260.2@6452.25,4421.74 C213.2@6533.38,4421.74 ; Q55.2@6528,4493.59 6528,4427.11 C213.2@6533.38,4421.74 ; U14.9@6598.89,4162.81 6598.89,4225.2 6572.04,4252.05 6572.04,4387.01 6545.31,4413.74 6537.31,4421.74 C213.2@6533.38,4421.74
PF20-: R265.1 R275.1 U18.15 | length 1572.5
  Top Layer w20: R265.1@6467.98,5256.92 R275.1@6467.98,5229.47 6467.98,5221.29 6589.44,5099.82 6589.44,4959.44 6627.97,4920.91 6627.97,4629.12 6610.49,4611.65 6610.49,4320.92 6707.04,4224.37 7062.35,4224.37 7085.37,4201.35 U18.15@7085.37,4162.81
PF21+: C219.2 Q66.2 R291.2 U15.15 | length 503.4
  Bottom Layer w20: U15.15@6025.92,4162.81 6025.92,4206.38 R291.2@6241.28,4421.74 C219.2@6322.42,4421.74 6317,4427.16 Q66.2@6317,4493.59
PF21-: R296.1 R306.1 U21.9 | length 1209.8
  Top Layer w15: U21.9@6509.08,4166.13 U21.9@6512.4,4162.81
  Top Layer w20: R296.1@6256.73,5256.92 R306.1@6256.73,5229.47 6256.73,5221.37 6378.27,5099.82 6378.27,4959.44 6416.8,4920.91 6416.8,4629.12 6404.99,4617.31 6404.99,4346.8 6509.08,4242.71 U21.9@6509.08,4166.13
PF22+: C220.2 Q67.2 R292.2 U15.13 | length 459.7
  Bottom Layer w20: U15.13@5925.92,4162.81 5925.92,4228.83 5954.27,4257.17 5954.27,4349.63 6006.88,4402.25 6024.56,4419.93 6028.5,4419.93 R292.2@6030.31,4421.74 C220.2@6111.46,4421.74 6106,4427.2 Q67.2@6106,4493.59
PF22-: R297.1 R307.1 U21.11 | length 1350.2
  Top Layer w20: R297.1@6045.48,5256.92 R307.1@6045.48,5229.47 6045.48,5221.45 6167.1,5099.82 6167.1,4959.44 6205.63,4920.91 6205.63,4629.12 6191.52,4615.02 6191.52,4327.38 6207.92,4310.98 6365.63,4310.98 6412.4,4264.21 U21.11@6412.4,4162.81
PF23+: C221.2 Q68.2 R293.2 U15.11 | length 460.6
  Bottom Layer w20: U15.11@5825.92,4162.81 5825.92,4268.26 5769.47,4324.72 5769.47,4375.8 5813.59,4419.93 5817.53,4419.93 R293.2@5819.34,4421.74 C221.2@5900.5,4421.74 5900.5,4488.08 Q68.2@5895,4493.59
PF23-: R298.1 R308.1 U21.13 | length 1461.9
  Top Layer w20: R298.1@5834.23,5256.92 R308.1@5834.23,5229.47 5834.23,5221.53 5955.93,5099.82 5955.93,4959.44 5994.46,4920.91 5994.46,4629.12 5980.71,4615.37 5980.71,4308.59 6025.68,4263.62 6296,4263.62 6312.4,4247.21 U21.13@6312.4,4162.81
PF24+: C222.2 Q69.2 R294.2 U15.9 | length 429.3
  Bottom Layer w20: R294.2@5608.37,4421.74 C222.2@5689.55,4421.74 ; Q69.2@5684,4493.59 5684,4427.28 C222.2@5689.55,4421.74 ; U15.9@5725.92,4162.81 5725.92,4385.36 C222.2@5689.55,4421.74
PF24-: R299.1 R309.1 U21.15 | length 1555.8
  Top Layer w20: R299.1@5622.97,5256.92 R309.1@5622.97,5229.47 5622.97,5221.61 5744.76,5099.82 5744.76,4959.44 5783.29,4920.91 5783.29,4629.12 5769.89,4615.73 5769.89,4291.52 5838.03,4223.39 6190.37,4223.39 6212.4,4201.35 U21.15@6212.4,4162.81
PF25+: C223.2 Q70.2 R295.2 U16.15 | length 527.3
  Bottom Layer w20: U16.15@5152.96,4162.81 5152.96,4197.32 5375.56,4419.93 5395.59,4419.93 R295.2@5397.4,4421.74 C223.2@5478.59,4421.74 5478.59,4488 Q70.2@5473,4493.59
PF25-: R300.1 R310.1 U19.9 | length 1199.1
  Top Layer w20: R300.1@5411.72,5256.92 R310.1@5411.72,5229.47 5411.72,5221.69 5533.59,5099.82 5533.59,4959.44 5572.12,4920.91 5572.12,4629.12 5559.23,4616.23 5559.23,4334.72 5639.44,4254.51 U19.9@5639.44,4162.81
PF26+: C229.2 Q81.2 R326.2 U16.13 | length 469.6
  Bottom Layer w20: U16.13@5052.96,4162.81 5052.96,4288.27 R326.2@5186.43,4421.74 C229.2@5267.63,4421.74 5267.63,4487.96 Q81.2@5262,4493.59
PF26-: R331.1 R341.1 U19.11 | length 1311.4
  Top Layer w20: R331.1@5200.47,5256.92 R341.1@5200.47,5229.47 5200.47,5221.77 5322.42,5099.82 5322.42,4959.44 5360.95,4920.91 5360.95,4629.12 5346.14,4614.32 5346.14,4353.47 5389.63,4309.97 5499.92,4309.97 5539.44,4270.46 U19.11@5539.44,4162.81
PF27+: C230.2 Q82.2 R327.2 U16.11 | length 442.1
  Bottom Layer w15: U16.11@4949.63,4166.13 U16.11@4952.96,4162.81
  Bottom Layer w20: U16.11@4952.13,4166.13 4952.13,4218.09 4934.81,4235.41 4934.81,4385.03 4971.52,4421.74 C230.2@5056.67,4421.74 5056.67,4487.91 Q82.2@5051,4493.59
PF27-: R332.1 R342.1 U19.13 | length 1413.2
  Top Layer w20: R332.1@4989.22,5256.92 R342.1@4989.22,5229.47 4989.22,5221.86 5111.25,5099.82 5111.25,4959.44 5149.78,4920.91 5149.78,4629.12 5135.86,4615.2 5135.86,4335.6 5204.97,4266.49 5411.69,4266.49 5439.44,4238.74 U19.13@5439.44,4162.81
PF28+: C231.2 Q83.2 R328.2 U16.9 | length 451.3
  Bottom Layer w20: R328.2@4764.48,4421.74 C231.2@4845.72,4421.74 ; Q83.2@4840,4493.59 4840,4427.46 C231.2@4845.72,4421.74 ; U16.9@4852.96,4162.81 4852.96,4233.37 4884.06,4264.47 4884.06,4397.33 4861.47,4419.93 4847.53,4419.93 C231.2@4845.72,4421.74
PF28-: R333.1 R343.1 U19.15 | length 1529.5
  Top Layer w20: R333.1@4777.97,5256.92 R343.1@4777.97,5229.47 4777.97,5221.94 4900.08,5099.82 4900.08,4959.44 4938.61,4920.91 4938.61,4629.12 4921.86,4612.37 4921.86,4293.28 4988.36,4226.78 5310.85,4226.78 5339.44,4198.19 U19.15@5339.44,4162.81
PF29+: C232.2 Q84.2 R329.2 U17.15 | length 611.9
  Bottom Layer w20: U17.15@4280,4162.81 4280,4203.48 4334.33,4257.81 4474.14,4257.81 4497.44,4281.11 4497.44,4359.31 4547.77,4409.64 4547.77,4419.93 4549.58,4421.74 R329.2@4553.51,4421.74 C232.2@4634.76,4421.74 4629,4427.5 Q84.2@4629,4493.59
PF29-: R334.1 R344.1 U20.9 | length 1187.6
  Top Layer w20: R334.1@4566.72,5256.92 R344.1@4566.72,5229.47 4566.72,5222.02 4688.91,5099.82 4688.91,4959.44 4727.44,4920.91 4727.44,4629.12 4714.51,4616.2 4714.51,4319.52 4766.48,4267.56 U20.9@4766.48,4162.81
PF30+: C233.2 Q85.2 R330.2 U17.13 | length 481.8
  Bottom Layer w20: U17.13@4180,4162.81 4180,4259.19 R330.2@4342.54,4421.74 C233.2@4423.8,4421.74 4418,4427.54 Q85.2@4418,4493.59
PF30-: R335.1 R345.1 U20.11 | length 1236.7
  Top Layer w20: R335.1@4355.47,5256.92 R345.1@4355.46,5229.47 4355.47,5206.54 4477.74,5084.27 4477.74,4959.44 4516.27,4920.91 4516.27,4629.12 4499.7,4612.55 4499.7,4363.1 4666.48,4196.32 U20.11@4666.48,4162.81
PF31+: C239.2 Q96.2 R361.2 U17.11 | length 438.6
  Bottom Layer w15: U17.11@4076.67,4166.13 U17.11@4080,4162.81
  Bottom Layer w20: U17.11@4076.67,4166.13 4076.67,4366.83 R361.2@4131.57,4421.74 C239.2@4212.84,4421.74 4207,4427.58 Q96.2@4207,4493.59
PF31-: R366.1 R376.1 U20.13 | length 1387.4
  Top Layer w20: R366.1@4144.21,5256.92 R376.1@4144.21,5229.47 4144.21,5208.42 4266.57,5086.06 4266.57,4959.44 4305.1,4920.91 4305.1,4629.12 4289.95,4613.97 4289.95,4317.86 4343.56,4264.25 4524.27,4264.25 4565.65,4222.87 4565.65,4163.63 U20.13@4566.48,4162.81
PF32+: C240.2 Q97.2 R362.2 U17.9 | length 461.5
  Bottom Layer w20: R362.2@3920.6,4421.74 C240.2@4001.89,4421.74 ; U17.9@3980,4162.81 3980,4260.89 4044.86,4325.75 4044.86,4378.77 4013.82,4409.8 4013.82,4413.74 4005.82,4421.74 C240.2@4001.89,4421.74 ; Q97.2@3996,4493.59 3996,4427.63 C240.2@4001.89,4421.74
PF32-: R367.1 R377.1 U20.15 | length 1502
  Top Layer w20: R367.1@3932.96,5256.92 R377.1@3932.96,5229.47 3932.96,5210.2 4055.4,5087.76 4055.4,4959.44 4093.93,4920.91 4093.93,4629.12 4076.48,4611.68 4076.48,4297.02 4150.65,4222.85 4444.98,4222.85 4466.48,4201.35 U20.15@4466.48,4162.81
PF33+: C241.2 Q98.2 R363.2 U22.15 | length 639.7
  Bottom Layer w20: U22.15@3407.03,4162.81 3407.03,4212.92 3440.58,4246.47 3607.13,4246.47 3634.22,4273.56 3634.22,4350.27 3697.69,4413.74 3705.69,4421.74 R363.2@3709.63,4421.74 C241.2@3790.93,4421.74 3790.93,4487.66 Q98.2@3785,4493.59
PF33-: R368.1 R378.1 U25.9 | length 1177.2
  Top Layer w20: R368.1@3721.71,5256.92 R378.1@3721.71,5229.47 3721.71,5214.2 3844.23,5091.68 3844.23,4959.44 3882.76,4920.91 3882.76,4629.12 3868.32,4614.69 3868.32,4321.7 3893.51,4296.51 U25.9@3893.51,4162.81
PF34+: C242.2 Q99.2 R364.2 U22.13 | length 493.9
  Bottom Layer w20: U22.13@3307.03,4162.81 3307.03,4230.11 R364.2@3498.66,4421.74 C242.2@3579.97,4421.74 3574,4427.71 Q99.2@3574,4493.59
PF34-: R369.1 R379.1 U25.11 | length 1225.5
  Top Layer w20: R369.1@3510.46,5256.92 R379.1@3510.46,5229.47 3510.46,5218.2 3633.06,5095.6 3633.06,4959.44 3671.59,4920.91 3671.59,4629.12 3654.57,4612.11 3654.57,4350.91 3793.51,4211.97 U25.11@3793.51,4162.81
PF35+: C243.2 Q100.2 R365.2 U22.11 | length 450.3
  Bottom Layer w20: U22.11@3207.03,4162.81 3207.03,4217.66 3242.06,4252.69 3242.06,4376.11 3275.75,4409.8 3275.75,4413.74 3283.75,4421.74 R365.2@3287.69,4421.74 C243.2@3369.02,4421.74 3363,4427.75 Q100.2@3363,4493.59
PF35-: R370.1 R380.1 U25.13 | length 1372.9
  Top Layer w20: R370.1@3299.21,5256.92 R380.1@3299.21,5229.47 3299.21,5219.92 3421.89,5097.24 3421.89,4959.44 3460.42,4920.91 3460.42,4629.12 3447.83,4616.53 3447.83,4304.35 3476.13,4276.05 3655.44,4276.05 3693.51,4237.98 U25.13@3693.51,4162.81
PF36+: C249.2 Q111.2 R396.2 U22.9 | length 471.2
  Bottom Layer w20: R396.2@3076.72,4421.74 C249.2@3158.06,4421.74 ; U22.9@3107.03,4162.81 3107.86,4163.63 3107.86,4193.55 3198.09,4283.78 3198.09,4385.64 3163.81,4419.93 3159.87,4419.93 C249.2@3158.06,4421.74 ; Q111.2@3152,4493.59 3152,4427.8 C249.2@3158.06,4421.74
PF36-: R401.1 R411.1 U25.15 | length 1468.8
  Top Layer w20: R401.1@3087.96,5256.92 R411.1@3087.96,5229.47 3087.96,5219.56 3210.72,5096.8 3210.72,4959.44 3249.25,4920.91 3249.25,4629.12 3234.72,4614.6 3234.72,4302.46 3307.48,4229.7 3569.11,4229.7 3593.51,4205.3 U25.15@3593.51,4162.81
PF37+: C250.2 Q112.2 R397.2 U23.15 | length 663.2
  Bottom Layer w20: U23.15@2534.07,4162.81 2534.07,4208.81 2590.23,4264.97 2776.08,4264.97 2804.97,4293.86 2804.97,4364.9 2860,4419.93 2863.93,4419.93 R397.2@2865.75,4421.74 C250.2@2947.1,4421.74 2941,4427.84 Q112.2@2941,4493.59
PF37-: R402.1 R412.1 U26.9 | length 1168.2
  Top Layer w20: R402.1@2876.7,5256.92 R412.1@2876.7,5229.47 2876.7,5219.75 2999.55,5096.91 2999.55,4959.44 3038.08,4920.91 3038.08,4629.12 3020.55,4611.6 U26.9@3020.55,4162.81
PF38+: C251.2 Q113.2 R398.2 U23.13 | length 506.1
  Bottom Layer w20: U23.13@2434.07,4162.81 2434.07,4201.03 R398.2@2654.78,4421.74 C251.2@2736.14,4421.74 2730,4427.88 Q113.2@2730,4493.59
PF38-: R403.1 R413.1 U26.11 | length 1210.8
  Top Layer w20: R403.1@2665.45,5256.92 R413.1@2665.45,5229.47 2665.45,5219.1 2788.38,5096.17 2788.38,4959.44 2826.91,4920.91 2826.91,4629.12 2813.6,4615.82 2813.6,4339.18 2920.55,4232.23 U26.11@2920.55,4162.81
PF39+: C252.2 Q114.2 R399.2 U23.11 | length 460.2
  Bottom Layer w20: U23.11@2334.07,4162.81 2334.07,4312 R399.2@2443.8,4421.74 C252.2@2525.19,4421.74 2519,4427.92 Q114.2@2519,4493.59
PF39-: R404.1 R414.1 U26.13 | length 1338.2
  Top Layer w20: R404.1@2454.2,5256.92 R414.1@2454.2,5229.47 2454.2,5217.84 2577.21,5094.83 2577.21,4959.44 2615.74,4920.91 2615.74,4629.12 2601.77,4615.15 2601.77,4316.13 2644.85,4273.04 2782.74,4273.04 2820.55,4235.23 U26.13@2820.55,4162.81
PF40+: C253.2 Q115.2 R400.2 U23.9 | length 455.4
  Bottom Layer w20: U23.9@2234.07,4162.81 2234.07,4252.73 2187.21,4299.59 2187.21,4380.05 2227.09,4419.93 2231.02,4419.93 R400.2@2232.83,4421.74 C253.2@2314.23,4421.74 2308,4427.97 Q115.2@2308,4493.59
PF40-: R405.1 R415.1 U26.15 | length 1434.8
  Top Layer w20: R405.1@2242.95,5256.92 2242.95,5229.47 2242.95,5219.22 2366.04,5096.14 2366.04,4959.44 2404.57,4920.91 2404.57,4629.12 2388.02,4612.58 2388.02,4315.02 2475.7,4227.34 2696.15,4227.34 2719.72,4203.77 2719.72,4163.63 U26.15@2720.55,4162.81
PF41+: C259.2 Q126.2 R431.2 U24.15 | length 715.7
  Bottom Layer w20: U24.15@1661.11,4162.81 1661.11,4206.82 1668.38,4214.09 1700.06,4245.77 1954.8,4245.77 1982.15,4273.12 1982.15,4385.96 2009.93,4413.74 2017.93,4421.74 R431.2@2021.86,4421.74 C259.2@2103.27,4421.74 2103.27,4487.32 Q126.2@2097,4493.59
PF41-: R436.1 R446.1 U27.9 | length 1180.1
  Top Layer w20: R436.1@2031.7,5256.92 R446.1@2031.7,5229.47 2031.7,5220.08 2154.87,5096.91 2154.87,4959.44 2193.39,4920.91 2193.39,4629.12 2176.82,4612.55 2176.82,4254.13 2147.59,4224.89 U27.9@2147.59,4162.81
PF42+: C260.2 Q127.2 R432.2 U24.13 | length 545.7
  Bottom Layer w20: U24.13@1561.11,4162.81 1561.11,4218.74 1626.03,4283.67 1668.88,4283.67 1805.14,4419.93 1809.08,4419.93 R432.2@1810.89,4421.74 C260.2@1892.31,4421.74 1892.31,4487.27 Q127.2@1886,4493.59
PF42-: R437.1 R447.1 U27.11 | length 1200.9
  Top Layer w20: R437.1@1820.45,5256.92 R447.1@1820.45,5229.47 1820.45,5218.03 1943.7,5094.78 1943.7,4959.44 1982.22,4920.91 1982.22,4629.12 1966.9,4613.8 1966.9,4297.54 2047.59,4216.85 U27.11@2047.59,4162.81
PF43+: C261.2 Q128.2 R433.2 U24.11 | length 477.1
  Bottom Layer w15: U24.11@1457.78,4166.13 U24.11@1461.11,4162.81
  Bottom Layer w20: U24.11@1461.11,4162.81 1461.11,4282.92 R433.2@1599.92,4421.74 C261.2@1681.36,4421.74 1675,4428.09 Q128.2@1675,4493.59
PF43-: R438.1 R448.1 U27.13 | length 1298.2
  Top Layer w20: R438.1@1609.2,5256.92 R448.1@1609.2,5229.47 1609.2,5217.83 1732.53,5094.5 1732.53,4959.44 1771.05,4920.91 1771.05,4629.12 1756.97,4615.04 1756.97,4313.64 1794.4,4276.21 1883.58,4276.21 1947.59,4212.21 U27.13@1947.59,4162.81
PF44+: C262.2 Q129.2 R434.2 U24.9 | length 442.5
  Bottom Layer w20: U24.9@1361.11,4162.81 1361.11,4219.03 1344.44,4235.7 1344.44,4381.17 1385.01,4421.74 C262.2@1470.4,4421.74 1464,4428.14 Q129.2@1464,4493.59
PF44-: R439.1 R449.1 U27.15 | length 1400.6
  Top Layer w20: R439.1@1397.94,5256.92 R449.1@1397.94,5229.47 1397.94,5219.74 1521.36,5096.33 1521.36,4959.44 1559.88,4920.91 1559.88,4629.12 1545.77,4615.01 1545.77,4322.22 1638.06,4229.93 1823.34,4229.93 1846.76,4206.52 1846.76,4163.63 U27.15@1847.59,4162.81
PF45+: C263.2 Q130.2 R435.2 U28.15 | length 679.1
  Bottom Layer w20: U28.15@788.14,4162.81 788.97,4163.63 788.97,4208.04 845.83,4264.91 1021.15,4264.91 R435.2@1177.98,4421.74 C263.2@1259.44,4421.74 1259.44,4487.15 Q130.2@1253,4493.59
PF45-: R440.1 R450.1 U29.9 | length 1191.9
  Top Layer w20: R440.1@1186.69,5256.92 R450.1@1186.69,5229.47 1186.69,5219.55 1310.19,5096.05 1310.19,4959.44 1348.71,4920.91 1348.71,4629.12 1333.3,4613.71 1333.3,4305.6 1274.62,4246.92 U29.9@1274.62,4162.81
PF46+: C269.2 Q137.2 R454.2 U28.13 | length 579.2
  Bottom Layer w20: U28.13@688.14,4162.81 688.14,4226.11 796.33,4334.3 875.63,4334.3 963.07,4421.74 R454.2@967.01,4421.74 C269.2@1048.49,4421.74 1042,4428.22 Q137.2@1042,4493.59
PF46-: R455.1 R457.1 U29.11 | length 1187.3
  Top Layer w20: R455.1@975.44,5256.92 R457.1@975.44,5229.47 975.44,5219.87 1099.02,5096.3 1099.02,4959.44 1137.54,4920.91 1137.54,4629.12 1124.65,4616.23 1124.65,4308.72 1174.62,4258.74 U29.11@1174.62,4162.81
PF47+: C271.2 Q140.2 R461.2 U28.11 | length 486.8
  Bottom Layer w20: U28.11@588.14,4162.81 588.14,4257.78 750.29,4419.93 754.23,4419.93 R461.2@756.04,4421.74 C271.2@837.53,4421.74 831,4428.26 Q140.2@831,4493.59
PF47-: R462.1 R464.1 U29.13 | length 1305.7
  Top Layer w20: R462.1@764.19,5256.92 R464.1@764.19,5229.47 764.19,5219.41 887.85,5095.75 887.85,4959.44 926.37,4920.91 926.37,4629.12 914.09,4616.84 914.09,4303.33 933.94,4283.48 1058.22,4283.48 1074.62,4267.08 U29.13@1074.62,4162.81
PF48+: C273.2 Q143.2 R468.2 U28.9 | length 438.6
  Bottom Layer w20: U28.9@488.14,4162.81 488.14,4364.81 R468.2@545.07,4421.74 C273.2@626.57,4421.74 620,4428.31 Q143.2@620,4493.59
PF48-: R469.1 R471.1 U29.15 | length 1389.3
  Top Layer w20: R469.1@552.94,5256.92 R471.1@552.94,5229.47 552.94,5219.21 676.68,5095.47 676.68,4959.44 715.2,4920.91 715.2,4629.12 700.98,4614.9 700.98,4297.81 766.83,4231.95 952.4,4231.95 974.62,4209.73 U29.15@974.62,4162.81